# Altium PCB PiezoControlBoard.PcbDoc (part 2 of 2)
Units mm, origin at the board's own origin, x right, y up, seen from the top; angles counter-clockwise.
Board outline 90 x 115 mm, 4 copper layers (SIGNAL TOP, GND, PWR, SIGNAL BOT), stack 1.59 mm thick; 145 components, 86 nets, 512 pads, 287 vias.
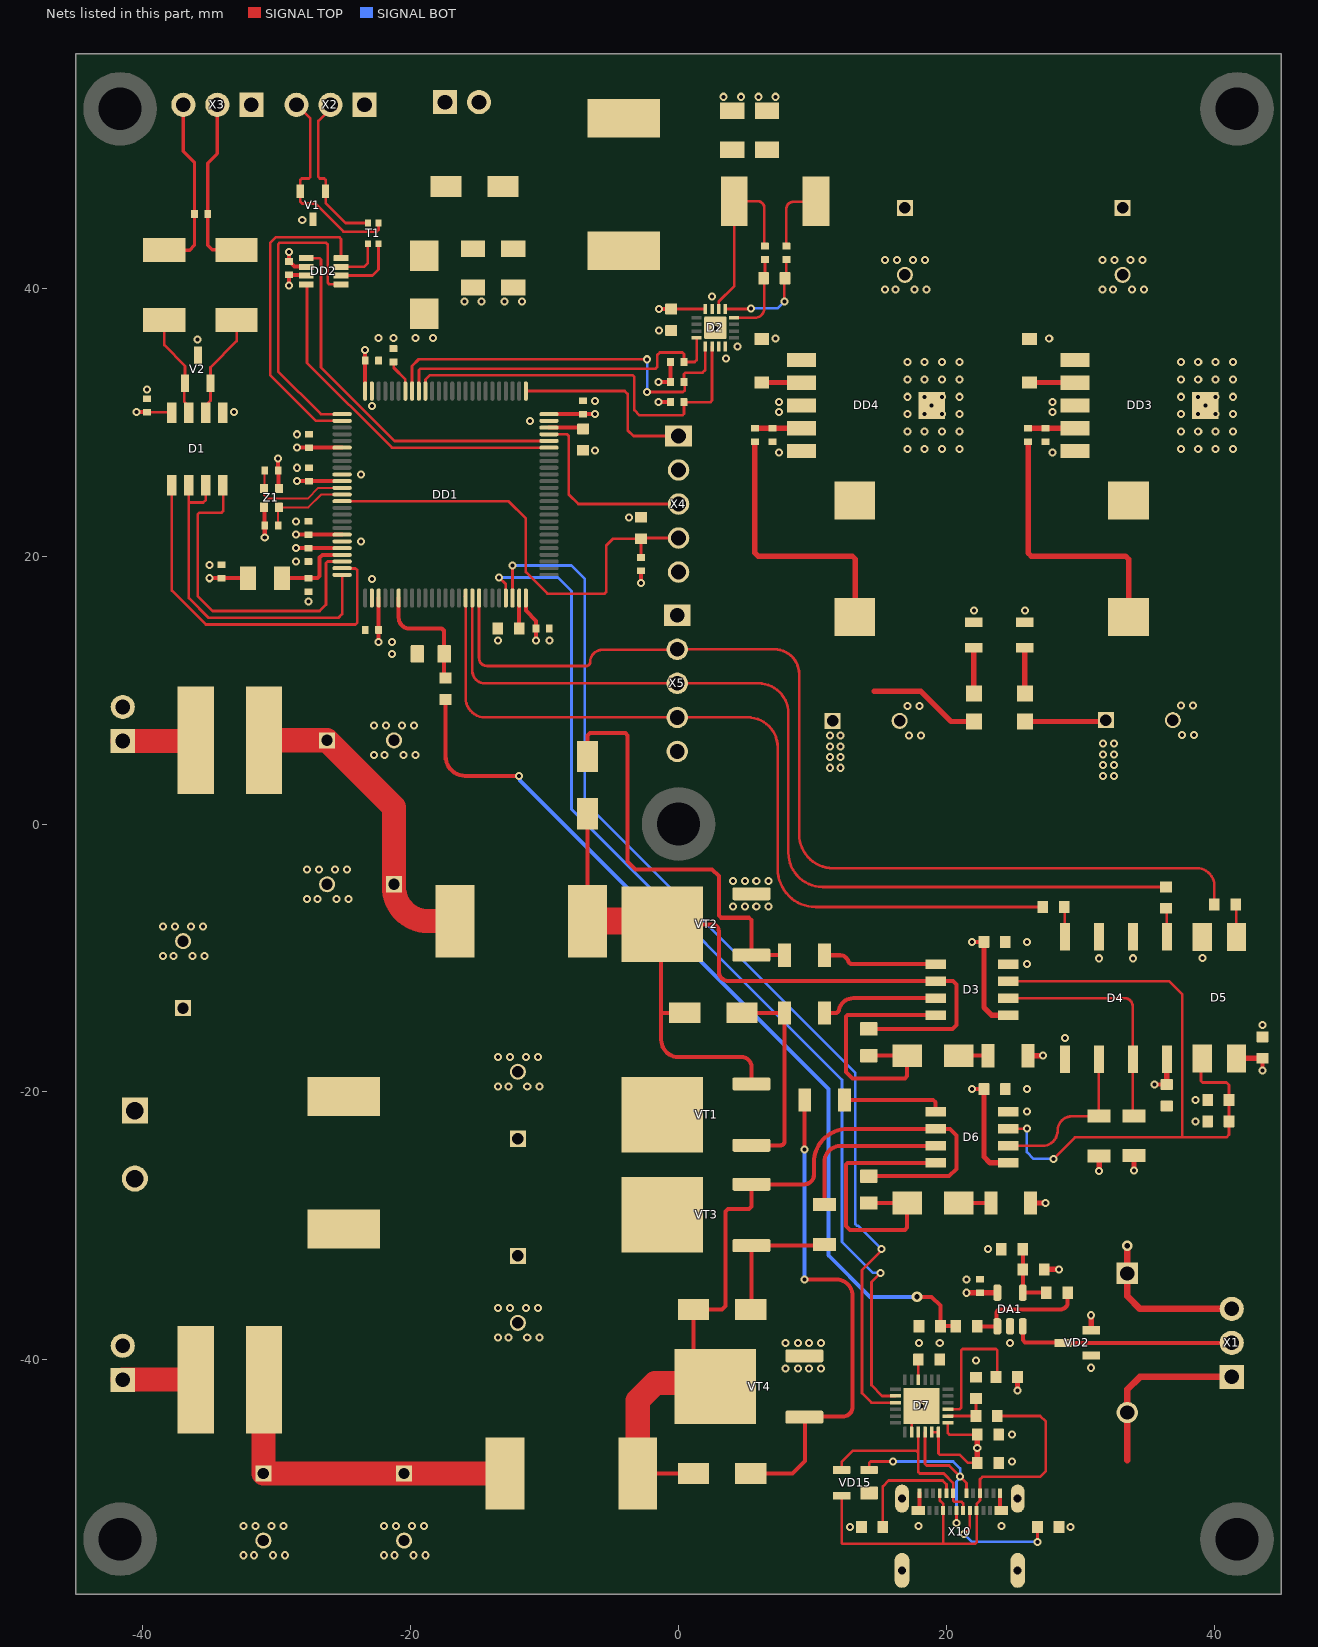
[diagram p4: the nets of this part, all layers, seen from the top]

## Part data (continued)
V1: "TVS DIODE 24VWM 40VC SOT23-3L / ESD Suppressor Diode TVS Bi-Dir 24V Automotive 3-Pin SOT-23 T/R", Manufacturer=STMicroelectronics, Supplier Part Number 1=1027027, Category="TVS Diodes", ComponentLink1Description=https://datasheet.ciiva.com/26935/getdatasheetpartid-779627-26935935.pdf?src-supplier=Verical, ComponentLink1URL=https://datasheet.ciiva.com/26935/getdatasheetpartid-779627-26935935.pdf?src-supplier=Verical, ComponentLink2Description=https://datasheet.ciiva.com/12070/dm00037599-100424-12070821.pdf?src-supplier=Mouser, ComponentLink2URL=https://datasheet.ciiva.com/12070/dm00037599-100424-12070821.pdf?src-supplier=Mouser, ComponentLink3Description=https://datasheet.ciiva.com/23803/dm00037599-23803632.pdf?src-supplier=Newark, ComponentLink3URL=https://datasheet.ciiva.com/23803/dm00037599-23803632.pdf?src-supplier=Newark, ComponentLink4Description=https://datasheet.ciiva.com/22685/1786030-22685811.pdf?src-supplier=Element14, ComponentLink4URL=https://datasheet.ciiva.com/22685/1786030-22685811.pdf?src-supplier=Element14, ComponentLink5Description=https://datasheet.ciiva.com/6574/dm00037599-6574397.pdf?src-supplier=Digikey, ComponentLink5URL=https://datasheet.ciiva.com/6574/dm00037599-6574397.pdf?src-supplier=Digikey, ComponentLink6Description=https://datasheet.ciiva.com/6574/dm00037599-6574398.pdf?src-supplier=Digikey, ComponentLink6URL=https://datasheet.ciiva.com/6574/dm00037599-6574398.pdf?src-supplier=Digikey, ComponentLink7Description=https://datasheet.ciiva.com/41443/001183991-da-01-en-tvs-diode-24-esdcan24-2bly-sot-23-3l-stm-41443402.pdf?src-supplier=Conrad, ComponentLink7URL=https://datasheet.ciiva.com/41443/001183991-da-01-en-tvs-diode-24-esdcan24-2bly-sot-23-3l-stm-41443402.pdf?src-supplier=Conrad, Manufacturer Part Number=ESDCAN24-2BLY, Pricing 1="3000=0,102, 6000=0,0993, 9000=0,064, 12000=0,0968, 15000=0,096, 30000=0,0613, 45000=0,0912, 60000=0,059 (USD)", RoHS=Yes, Stock 1=135000, Supplier 1=https://www.chipdip.ru/product/esdcan24-2bly-umw?from=suggest_product
V2: "SM Series 12 V 400 W Asymmetrical TVS Diode for Extended Common-Mode - SOT-23", Breakdown Voltage=13.3V, Case/Package=SOT-23, Clamping Voltage=26V, Clamping Voltage-Max=12V, Leakage Current=1uA, Manufacturer=Semtech, Max Operating Temperature=125°C, Max Power Dissipation=400W, Max Reverse Leakage Current=20uA, Min Breakdown Voltage=7.5V, Min Operating Temperature=-55°C, Peak Pulse Current=17A, Power Line Protection=No, Supplier Part Number=6910811P, Test Current=1mA, Category="TVS Diodes", ComponentLink1Description=https://datasheet.ciiva.com/16393/sm712-16393584.pdf?src-supplier=Future+Electronics, ComponentLink1URL=https://datasheet.ciiva.com/16393/sm712-16393584.pdf?src-supplier=Future+Electronics, ComponentLink2Description=https://datasheet.ciiva.com/18065/getdatasheetpartid-110620-18065348.pdf?src-supplier=Verical, ComponentLink2URL=https://datasheet.ciiva.com/18065/getdatasheetpartid-110620-18065348.pdf?src-supplier=Verical, ComponentLink3Description=https://datasheet.ciiva.com/5748/579001-5748455.pdf?src-supplier=Farnell, ComponentLink3URL=https://datasheet.ciiva.com/5748/579001-5748455.pdf?src-supplier=Farnell, ComponentLink4Description=https://datasheet.ciiva.com/8029/579001-8029931.pdf?src-supplier=Element14, ComponentLink4URL=https://datasheet.ciiva.com/8029/579001-8029931.pdf?src-supplier=Element14, ComponentLink5Description=https://datasheet.ciiva.com/339/sm712-339089.pdf?src-supplier=Digikey, ComponentLink5URL=https://datasheet.ciiva.com/339/sm712-339089.pdf?src-supplier=Digikey, ComponentLink6Description=https://datasheet.ciiva.com/339/sm712-339090.pdf?src-supplier=Digikey, ComponentLink6URL=https://datasheet.ciiva.com/339/sm712-339090.pdf?src-supplier=Digikey, ComponentLink7Description=https://datasheet.ciiva.com/339/sm712-339091.pdf?src-supplier=Digikey, ComponentLink7URL=https://datasheet.ciiva.com/339/sm712-339091.pdf?src-supplier=Digikey, Depth=1.3mm, Diode Type=ZENER, Direction=Bidirectional, ESD Protection=Yes, Height=0.95mm, Lead Free="Lead Free", Length=2.9mm, Manufacturer Part Number=SM712.TCT, Max Breakdown Voltage=13.3V, Mounting Technology="Surface Mount", Number of Bidirectional Channels=2, Number of Channels=2NUMBER, Number of Elements=2, Packaging="Tape and Reel", Peak Pulse Power=400W, Pins=3, Polarity=Bidirectional, Power Dissipation=400W, Pricing="25=0,92, 50=0,82, 125=0,726, 250=0,712 (GBP)", Radiation Hardening=No, Reach SVHC Compliant=No, Reverse Breakdown Voltage=13.3V, Reverse Standoff Voltage=12V, RoHS=Yes, RoHS Compliant=Yes, Series=-, Stock=2025, Supplier=Rs, Supplier 1=https://www.chipdip.ru/product/sm712.tct, Voltage Rating (DC)=12V, Width=1.3mm, Working Voltage=12V
VD1: "Стабилитрон кремниевый, 12В", Supplier 1=https://www.chipdip.ru/product/d814d-metall-stabilitron-kremnievyy-12v-sztp-9000500630?from=rec_product_auto
VD2: "Диод импульсный, 2 х 0.215/0.3А, 85В, последовательное включение", Supplier 1=https://www.chipdip.ru/product/bav199-diod-impulsnyy-2-h-0.215-0.3a-85v-diotec-9000854588
VD3: "Rectifier Diode, Schottky, 1 Phase, 1 Element, 3A, 40V V(RRM), Silicon, DO-214AC", Manufacturer="Vishay Semiconductors", Category="Rectifier Diodes", ComponentLink1Description=https://datasheet.ciiva.com/22685/1719678-22685665.pdf?src-supplier=Element14, ComponentLink1URL=https://datasheet.ciiva.com/22685/1719678-22685665.pdf?src-supplier=Element14, ComponentLink2Description=https://datasheet.ciiva.com/4245/b330la-4245394.pdf?src-supplier=Arrow+Electronics, ComponentLink2URL=https://datasheet.ciiva.com/4245/b330la-4245394.pdf?src-supplier=Arrow+Electronics, ComponentLink3Description=https://datasheet.ciiva.com/911/b330la-911044.pdf?src-supplier=Digikey, ComponentLink3URL=https://datasheet.ciiva.com/911/b330la-911044.pdf?src-supplier=Digikey, ComponentLink4Description=https://datasheet.ciiva.com/911/b330la-911045.pdf?src-supplier=Digikey, ComponentLink4URL=https://datasheet.ciiva.com/911/b330la-911045.pdf?src-supplier=Digikey, ComponentLink5Description=https://datasheet.ciiva.com/911/b330la-911046.pdf?src-supplier=Digikey, ComponentLink5URL=https://datasheet.ciiva.com/911/b330la-911046.pdf?src-supplier=Digikey, Manufacturer Part Number=B340A-E3/61T, Pricing="3600=0,11, 7200=0,10732, 10800=0,10602, 18000=0,10476, 36000=0,10353 (USD)", RoHS=Yes, Stock=19800, Supplier=Avnet, Supplier 1=https://www.chipdip.ru/product/b340a-e3-61t-2?from=suggest_product, Supplier Part Number=B340A-E3/61T
VD4 VD7: library part "LED 0805", "LED SMD 0805"
  VD4: Part Number=KP-2012SYC, Supplier 1=https://www.chipdip.ru/product0/8001782012
  VD7: Part Number=KP-2012HD, Supplier 1=https://www.chipdip.ru/product0/8001788575
VD5: "SMBJ36A, Защитный диод 600Вт 36В [SMB / DO-214AA]", Supplier 1=https://www.chipdip.ru/product/smbj36a-zaschitnyy-diod-600vt-36v-smb-do-214aa-umw-9001169227
VD6 VD8: "Диод Шоттки 40В 1А", Supplier 1=https://www.chipdip.ru/product/1n5819w
VD9 VD12: "Rectifier Diode, 1 Phase, 1 Element, 2A, 600V V(RRM), Silicon", Average Rectified Current=2A, Case/Package=SMA, Forward Voltage=1.25V, Manufacturer=STMicroelectronics, Max Forward Surge Current (Ifsm)=30A, Max Junction Temperature (Tj)=175°C, Max Repetitive Reverse Voltage (Vrrm)=600V, Min Operating Temperature=-40°C, Peak Reverse Current=2µA, Supplier Part Number=1685754, Category="Rectifier Diodes", China RoHS=Non-Compliant, ComponentLink1Description=https://datasheet.octopart.com:443/STTH2R06A-STMicroelectronics-datasheet-8449154.pdf?src-supplier=element14+APAC, ComponentLink1URL=https://datasheet.octopart.com:443/STTH2R06A-STMicroelectronics-datasheet-8449154.pdf?src-supplier=element14+APAC, ComponentLink2Description=https://datasheet.octopart.com:443/STTH2R06A-STMicroelectronics-datasheet-12526389.pdf?src-supplier=Newark, ComponentLink2URL=https://datasheet.octopart.com:443/STTH2R06A-STMicroelectronics-datasheet-12526389.pdf?src-supplier=Newark, ComponentLink3Description=https://datasheet.octopart.com:443/STTH2R06A-STMicroelectronics-datasheet-14054141.pdf?src-supplier=iiiC, ComponentLink3URL=https://datasheet.octopart.com:443/STTH2R06A-STMicroelectronics-datasheet-14054141.pdf?src-supplier=iiiC, ComponentLink4Description=https://datasheet.octopart.com:443/STTH2R06A-STMicroelectronics-datasheet-8633837.pdf?src-supplier=Jameco, ComponentLink4URL=https://datasheet.octopart.com:443/STTH2R06A-STMicroelectronics-datasheet-8633837.pdf?src-supplier=Jameco, ComponentLink5Description=https://datasheet.octopart.com:443/STTH2R06A-STMicroelectronics-datasheet-30637.pdf?src-supplier=DigiKey, ComponentLink5URL=https://datasheet.octopart.com:443/STTH2R06A-STMicroelectronics-datasheet-30637.pdf?src-supplier=DigiKey, Contact Plating=Tin, Country of Origin="Mainland China", Current Rating=2A, Element Configuration=Single, Export Control Classification Number (ECCN) Code=EAR99, Forward Current=2A, Harmonized Tariff Schedule (HTS) Code=8541.10.00.80, Height=2.03mm, Introduction Date=2004-09-07, Lead Free="Lead Free", Length=4.6mm, Lifecycle Status=Production, Manufacturer Part Number=STTH2R06A, Max Operating Temperature=175°C, Max Output current=2A, Max Reverse Voltage (DC)=600V, Max Surge Current=30A, Mounting Technology="Surface Mount", Number of Elements=1, Number of Terminals=2, Output Current=2A, Packaging="Tape and Reel", Peak Non-Repetitive Surge Current=30A, Pins=2, Polarity=Standard, Pricing="5000=0,1 (GBP)", Radiation Hardening=No, REACH SVHC=No, Recovery Time=50ns, Reverse Recovery Time=50ns, Reverse Standoff Voltage=600V, Reverse Voltage=600V, RoHS=Compliant, Schedule B="8541100080, 8541100080|8541100080|8541100080|8541100080|8541100080", Stock=4220, Supplier=RS, Supplier 1=https://www.chipdip.ru/product/stth2r02a-st-microelectronics-8000276925, Voltage Rating (DC)=600V, Width=2.95mm
VD10 VD11 VD13 VD14: "Диод защитный от перенапряжения - TVS (супрессор) 12В включение 19.9В ограничение SMA", Breakdown Voltage="14 V", Maximum Clamping Voltage (V)="25.3 V", Maximum Peak Pulse Current (A)="91 A", Minimum Breakdown Voltage (V)="13.3 V", Supplier 1=https://www.chipdip.ru/product/smaj12ca-tr-st-microelectronics-8124212433
VD15: "SP050xBA Series 8.5 V 30 pF Triple Uni-Directional TVS Avalanche Diode-SOT143-4", Breakdown Voltage=5.5V, Case/Package=SOT-143, Clamping Voltage=7.8V, Clamping Voltage-Max=8V, Leakage Current=100nA, Manufacturer=Littelfuse, Max Operating Temperature=85°C, Max Power Dissipation=225mW, Min Operating Temperature=-40°C, Power Line Protection=No, Voltage Rating (DC)=5V, Category="TVS Diodes", ComponentLink1Description=https://datasheet.ciiva.com/15143/getdatasheetpartid-116020-15143550.pdf?src-supplier=Verical, ComponentLink1URL=https://datasheet.ciiva.com/15143/getdatasheetpartid-116020-15143550.pdf?src-supplier=Verical, ComponentLink2Description=https://datasheet.ciiva.com/7650/526672-7650894.pdf?src-supplier=Element14, ComponentLink2URL=https://datasheet.ciiva.com/7650/526672-7650894.pdf?src-supplier=Element14, ComponentLink3Description=https://datasheet.ciiva.com/8062/littefuse-spa-sp050x-8062422.pdf?src-supplier=Element14, ComponentLink3URL=https://datasheet.ciiva.com/8062/littefuse-spa-sp050x-8062422.pdf?src-supplier=Element14, ComponentLink4Description=https://datasheet.ciiva.com/22697/1911798-22697942.pdf?src-supplier=Element14, ComponentLink4URL=https://datasheet.ciiva.com/22697/1911798-22697942.pdf?src-supplier=Element14, ComponentLink5Description=https://datasheet.ciiva.com/4509/sp05x-leadfree-4509162.pdf?src-supplier=Mouser, ComponentLink5URL=https://datasheet.ciiva.com/4509/sp05x-leadfree-4509162.pdf?src-supplier=Mouser, ComponentLink6Description=https://datasheet.ciiva.com/332/sp05xxba-332551.pdf?src-supplier=Digikey, ComponentLink6URL=https://datasheet.ciiva.com/332/sp05xxba-332551.pdf?src-supplier=Digikey, ComponentLink7Description=https://datasheet.ciiva.com/332/sp05xxba-332552.pdf?src-supplier=Digikey, ComponentLink7URL=https://datasheet.ciiva.com/332/sp05xxba-332552.pdf?src-supplier=Digikey, ComponentLink8Description=https://datasheet.ciiva.com/332/sp05xxba-332550.pdf?src-supplier=Digikey, ComponentLink8URL=https://datasheet.ciiva.com/332/sp05xxba-332550.pdf?src-supplier=Digikey, ComponentLink9Description=https://datasheet.ciiva.com/16449/sp05xxba-16449463.pdf?src-supplier=Future+Electronics, ComponentLink9URL=https://datasheet.ciiva.com/16449/sp05xxba-16449463.pdf?src-supplier=Future+Electronics, Depth=1.4mm, Diode Type=Avalanche, Direction=Unidirectional, ESD Protection=Yes, Height=1.05mm, Lead Free="Lead Free", Length=3.04mm, Manufacturer Part Number=SP0503BAHTG, Max Reverse Leakage Current=100nA, Mounting Technology="Surface Mount", Number of Channels=3, Number of Elements=3, Number of Unidirectional Channels=3, Operating Supply Voltage=5.5V, Packaging="Tape and Reel", Peak Pulse Power=225mW, Pins=4, Polarity=Bidirectional,Unidirectional, Power Dissipation=225mW, Pricing="3000=0,2519, 9000=0,2382 (USD)", Radiation Hardening=No, Reach SVHC Compliant=No, Reverse Standoff Voltage=5.5V, RoHS=Yes, RoHS Compliant=Yes, Series="SP05, SPA®", Stock=87000, Supplier="Arrow Electronics", Supplier 1=https://www.chipdip.ru/product/sp0503bahtg, Supplier Part Number=SP0503BAHTG, Termination=SMD/SMT, Width=1.4mm, Working Voltage=5.5V
VT1 VT2 VT3 VT4: "Fairchild Semiconductor’s new QFET® planar MOSFETs use advanced, proprietary technology to offer best-in-class operating performance for a wide range of applications, including power supplies, PFC (Power Factor Correction), DC-DC Converters, Plasma Display Panels (PDP), lighting ballasts, and motion control.", Continuous Drain Current Id=9A, Drain Source On State Resistance=0.28ohm, Drain Source Voltage Vds=200V, Gate Source Threshold Voltage Max=2V, Power Dissipation=2.5W, Rds(on) Test Voltage=10V, Channel Type="N Channel", Supplier 1=https://www.chipdip.ru/product/fqd12n20ltm-tranzistor-n-mosfet-200v-9a-on-semiconductor-9050001558
X1 X2 X3: "Клеммник 3 конт. шаг 2.54 мм, вертик. на плату, H = 8.5 мм, провод под винт/микролифт (пров. 26-18AWG/ до 1.0 кв.мм), до 150В/6А, зеленый изол.", Curciut 1=Общий, Supplier 1=https://www.chipdip.ru/product/308-031-14-dg308-2.54-03p-klemmnik-vintovoy-xinya-xinlaiya-10706
  X1: Curciut 2="ПЧД Вход", Curciut 3=+12В
  X2: Curciut 2=CAN_HIGH, Curciut 3=CAN_LOW
  X3: Curciut 2=A, Curciut 3=B
X4 X5: "Штыри однорядные 1x5 конт. шаг 2.54 мм", Supplier 1=https://www.chipdip.ru/product/pls-5
  X4: Curciut 1=SWCLK, Curciut 2=Общий, Curciut 3=SWDIO, Curciut 4=RST, Curciut 5=+3.3В
  X5: Curciut 1=+3.3В, Curciut 2=инв.Блок, Curciut 3="ШИМ 30кГц", Curciut 4="инв.ШИМ 30кГц", Curciut 5=Общий
X6 X8 X9: "Клеммник 2 конт. шаг 2.54 мм, вертик. на плату, H = 8.5 мм, провод под винт/микролифт (пров. 26-18AWG/ до 1.0 кв.мм), до 150В/6А, зеленый изол.", Curciut 2=Общий, Supplier 1=https://www.chipdip.ru/product/dg308-2.54-02p-14-00ah-308-021-14-klemmnik-vintovoy-degson-63066?from=visited_product
  X6: Curciut 1=24В...34В
  X8: Curciut 1="Выход/ Пъезо 1"
  X9: Curciut 1="Выход/ Пъезо 2"
X7: "Terminal block DG127-5.08-02P-14-00AH, 2-ways, vertical, 5.08mm, screw (-), green, max wire 1.5mm2, RoHS", Curciut 1="150В, 1А", Curciut 2="Общий, 150В", Supplier 1=https://www.chipdip.ru/product0/8001774499
X10: "USB Connector, 24 Contact(s), Female, Right Angle, Surface Mount Terminal, Receptacle", Case/Package=0101, Flammability Rating="UL94 V-0", Insulation Color=Black, Manufacturer=Molex, Max Operating Temperature=85°C, Min Operating Temperature=-30°C, Supplier Part Number=538-105450-0101, Voltage Rating=30V, A1=GND, A2=TX1+, A3=TX1-, A4=VBUS, A5=CC1, A6=D+, A7=D-, A8=SBU1, A9=VBUS, A10=RX2-, A11=RX2+, A12=GND, B1=GND, B2=TX2+, B3=TX2-, B4=VBUS, B5=CC2, B6=D+, B7=D-, B8=SBU2, B9=VBUS, B10=RX1-, B11=RX1+, B12=GND, Category="USB Connectors", ComponentLink1Description=http://www.farnell.com/datasheets/2801634.pdf?src-supplier=Farnell, ComponentLink1URL=http://www.farnell.com/datasheets/2801634.pdf?src-supplier=Farnell, ComponentLink2Description=http://www.farnell.com/datasheets/2801634.pdf?src-supplier=Newark, ComponentLink2URL=http://www.farnell.com/datasheets/2801634.pdf?src-supplier=Newark, ComponentLink3Description=http://www.literature.molex.com/SQLImages/kelmscott/Molex/PDF_Images/987651-4081.PDF?src-supplier=Avnet, ComponentLink3URL=http://www.literature.molex.com/SQLImages/kelmscott/Molex/PDF_Images/987651-4081.PDF?src-supplier=Avnet, ComponentLink4Description=http://www.farnell.com/datasheets/2015275.pdf?src-supplier=Element14, ComponentLink4URL=http://www.farnell.com/datasheets/2015275.pdf?src-supplier=Element14, ComponentLink5Description=http://www.farnell.com/datasheets/2801634.pdf?src-supplier=Element14, ComponentLink5URL=http://www.farnell.com/datasheets/2801634.pdf?src-supplier=Element14, ComponentLink6Description=http://www.farnell.com/datasheets/2672741.pdf?src-supplier=Newark, ComponentLink6URL=http://www.farnell.com/datasheets/2672741.pdf?src-supplier=Newark, Connector Type=USB, Contact Material="Copper Alloy", Contact Plating=Gold, Features=Shielded, Gender=Receptacle, Height=3.44mm, Housing Material=Thermoplastic, Length=8.94mm, Manufacturer Part Number=105450-0101, Mating Cycles=10000, Mounting Technology="Surface Mount,Horizontal,Through Hole", Number of Circuits=24NUMBER, Number of Contacts=24, Number of Ports=1, Number of Rows=2NUMBER, Orientation="Right Angle", Packaging="Tape and Reel", Pins=24, Pitch=0.5mm, Plating=157ConductorMaterial, Pricing="1=2,38, 10=2,03, 50=2,03, 100=1,79, 1000=1,67, 10000=1,41 (USD)", Reach SVHC Compliant=Unknown, RoHS=Yes, RoHS Compliant=Yes, Series=-, Shielding=Shielded, Stock=17652, Supplier=Mouser, Supplier 1=https://www.chipdip.ru/product/105450-0101-molex, Termination=Solder, USB Standard="USB 3.1"
Z1: "Crystal 25MHz ±20ppm (Tol) ±20ppm (Stability) 10pF FUND 100Ohm 4-Pin Ultra Mini-CSMD T/R", Manufacturer=Abracon, Category="Crystals and Oscillators", ComponentLink1Description=https://datasheet.octopart.com/ABM11-25.000MHZ-D2X-T-Abracon-datasheet-12518431.pdf?src-supplier=Sager+Electronics, ComponentLink1URL=https://datasheet.octopart.com/ABM11-25.000MHZ-D2X-T-Abracon-datasheet-12518431.pdf?src-supplier=Sager+Electronics, Manufacturer Part Number=ABM11-25.000MHZ-D2X-T, Pricing="259=0,3855, 500=0,3667, 1000=0,363, 2000=0,3516, 5000=0,3277 (USD)", RoHS=No, Stock=4570, Supplier 1=https://www.chipdip.ru/product0/8009921874, Supplier Part Number=ABM11-25.000MHZ-D2X-T

## Via types
v1: diameter 0.6, hole 0.3, SIGNAL TOP to SIGNAL BOT, tented both sides, 285 vias
v2: diameter 0.8, hole 0.4, SIGNAL TOP to SIGNAL BOT, tented both sides, 2 vias
